# Altium PCB pcb.PcbDoc (part 2 of 3)
Units mil, origin at the board's own origin, x right, y up, seen from the top; angles counter-clockwise.
Board outline 4487.66 x 5255 mil, 2 copper layers (Top Layer, Bottom Layer); 214 components, 192 nets, 883 pads, 298 vias.
Unrouted connection lines stored in the file: 2.
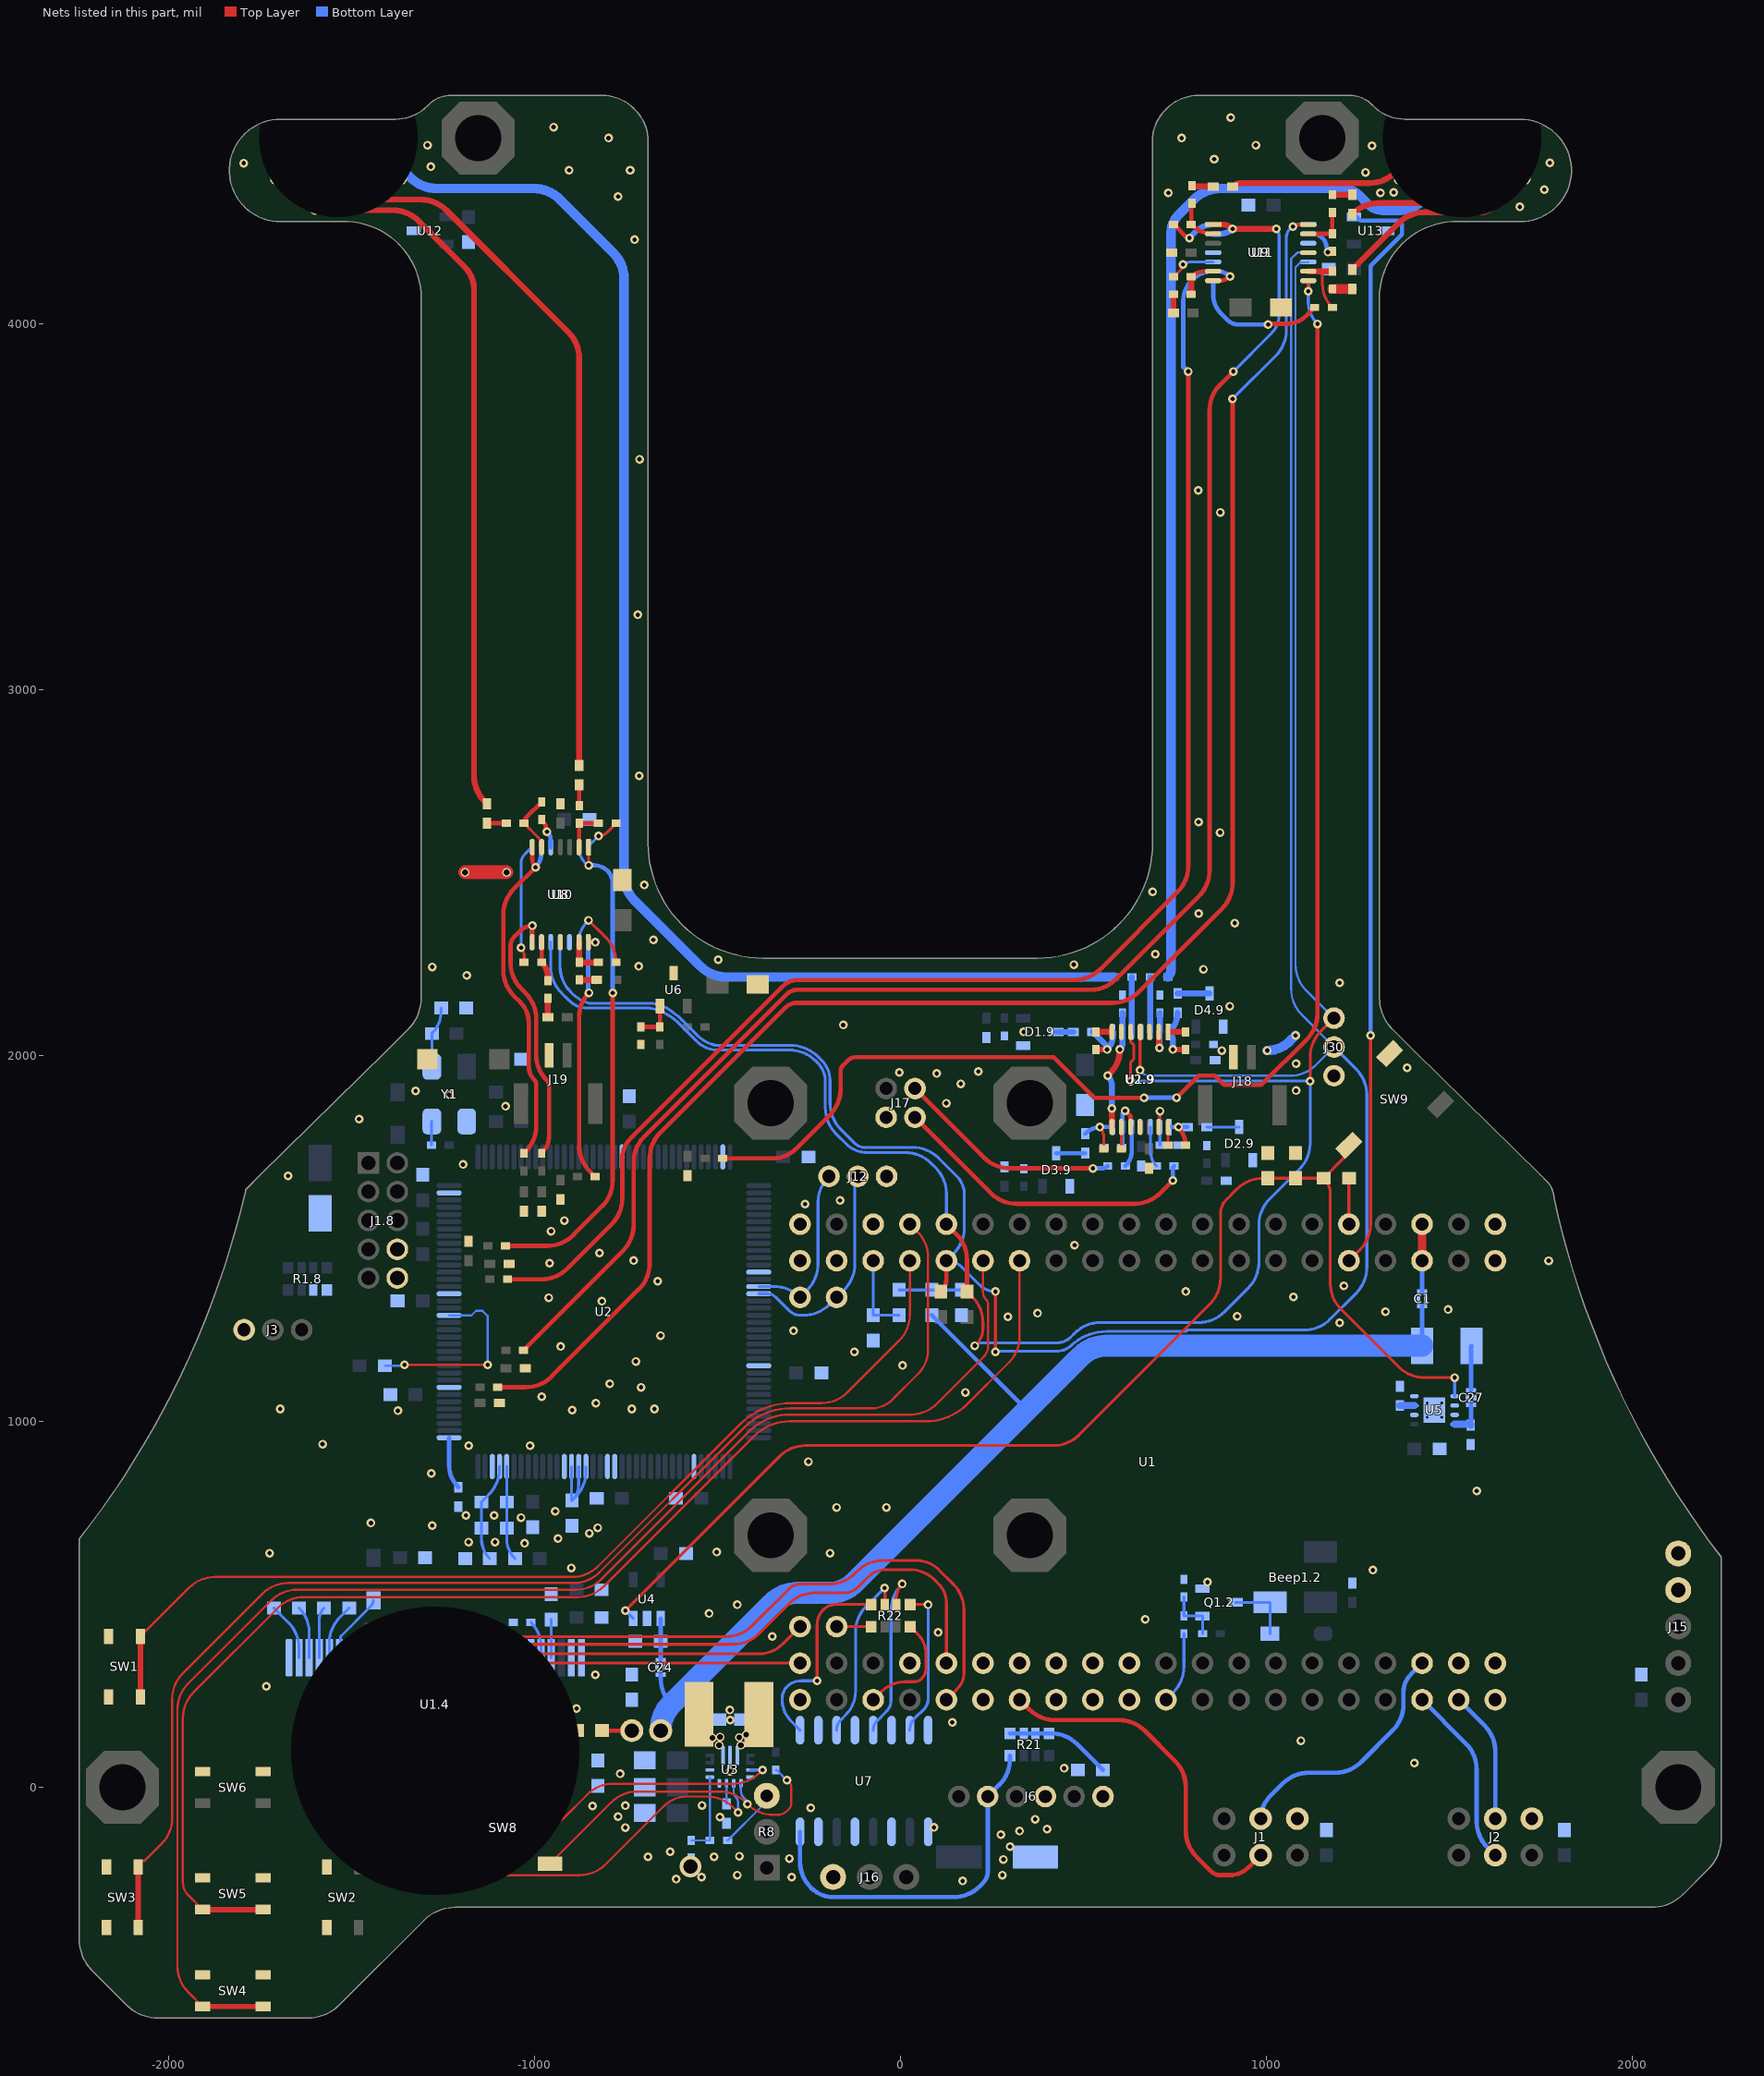
[diagram p2: the nets of this part, all layers, seen from the top]

## Via types
v1: diameter 24, hole 12, Top Layer to Bottom Layer, tented both sides, 283 vias
v2: diameter 23.62, hole 15.75, Top Layer to Bottom Layer, tented both sides, 10 vias
v3: diameter 24, hole 16, Top Layer to Bottom Layer, tented both sides, 2 vias
v4: diameter 23.62, hole 11.81, Top Layer to Bottom Layer, tented both sides, 2 vias
v5: diameter 59.06, hole 39.37, Top Layer to Bottom Layer, tented both sides, 1 vias

## Nets (pads, with @x,y where several pads share a name; then routed paths per layer and width w, separated by ;. In a path a pad name is that pad's centre, name@x,y a point inside that pad or via, vN(x,y) a via of type N, cw(c..) or ccw(c..) an arc to the next point about the centre after c; other vN are vias at no path point) (continued)
AD_B0_14: SW4.1 U1.30 | length 3874.2
  Top Layer w6: SW4.1@-1906.67,-598.91 -1946.42,-559.16 cw(c-1875.71,-488.45) -1975.71,-488.45 -1975.71,212.87 cw(c-1875.71,212.87) -1946.42,283.58 -1719.29,510.71 cw(c-1648.58,440) -1648.58,540 -887.3,540 ccw(c-887.3,640) -816.59,569.29 -413.32,972.56 cw(c-301.34,860.58) -301.34,1018.94 28.92,1018.94 ccw(c28.92,1118.94) 99.63,1048.23 226.94,1175.54 ccw(c195.41,1207.07) 240,1207.07 240,1320.32 ccw(c222.93,1320.32) 235,1332.39 cw(c256.7,1354.09) 226.01,1354.09 U1.30@226.01,1439.39
  Top Layer w15: SW4.1@-1906.67,-598.91 SW4.1@-1741.31,-598.91
AD_B0_15: SW5.1 U1.28 | length 3653.3
  Top Layer w6: SW5.1@-1906.67,-333.91 -1946.42,-294.16 cw(c-1911.92,-259.66) -1960.71,-259.66 -1960.71,189.18 cw(c-1860.71,189.18) -1931.42,259.89 -1700.6,490.71 cw(c-1629.89,420) -1629.89,520 -881.16,520 ccw(c-881.16,620) -810.45,549.29 -399.97,959.77 cw(c-301.74,861.55) -301.74,1000.45 70.32,1000.45 ccw(c70.32,1158.81) 182.3,1046.84 296.72,1161.25 ccw(c226.01,1231.96) 326.01,1231.96 U1.28@326.01,1439.39
  Top Layer w15: SW5.1@-1906.67,-333.91 SW5.1@-1741.31,-333.91
AD_B1_00: J30.2 R47.2 U1.32 U2.9.4 U10.4 U11.4 | length 6804.8
  Top Layer w8: v1(260,1190) v1(260,1355) ; v1(655,1960) U2.9.4@655,2064.84
  Top Layer w12: R47.2@111.02,1355 ccw(c74.84,1391.18) 126.01,1391.18 U1.32@126.01,1439.39
  Bottom Layer w6: v1(655,1960) 656.97,1958.02 cw(c653.95,1955) 658.23,1955 ccw(c682.37,1979.14) 682.37,1945 1064.84,1945 ccw(c1064.84,2045) 1135.55,1974.29 J30.2@1185,2023.74 1097.29,2111.45 cw(c1168,2182.16) 1068,2182.16 1068,4178 1085,4195 U11.4@1114.84,4195
  Bottom Layer w8: U10.4@-930,2310 -930,2244.56 ccw(c-830,2244.56) -900.71,2173.85 -896.15,2169.29 ccw(c-825.44,2240) -850.78,2143.26 ccw(c-848.74,2151) -848.74,2143 -800,2143 -687.33,2143 cw(c-687.33,2043) -621.23,2118.04 ccw(c-615.94,2124.04) -620.4,2117.4 -620.13,2117.22 cw(c-690.04,2010) -599.51,2100.49 -581.68,2082.65 -554.25,2055.22 ccw(c-483.54,2125.93) -506.47,2028.6 ccw(c-497.2,2100) -497.2,2028 -299.04,2028 cw(c-299.04,1932.4) -264.51,2021.55 cw(c-302.15,1915) -229.88,2001.87 cw(c-302.15,1915) -222.21,1994.86 -215.84,1988.5 cw(c-273.28,1930.99) -192,1930.99 -192,1869.21 ccw(c-92,1869.21) -162.71,1798.5 -124.21,1760 ccw(c-98.36,1785.86) -98.36,1749.29 33.58,1749.29 cw(c33.58,1649.29) 104.29,1720 155,1669.29 cw(c106.72,1621) 175,1621 175,1529.81 cw(c75,1529.81) 145.71,1459.1 U1.32@126.01,1439.39 cw(c126.01,1380.02) 168,1422 217.32,1372.68 ccw(c260,1415.36) v1(260,1355) ; v1(260,1190) cw(c264.18,1185.82) 264.18,1191.73 425.51,1191.73 ccw(c425.51,1255.34) 438.48,1193.07 ccw(c425.51,1255.34) 466.91,1207.05 ccw(c461.71,1213.13) 467.21,1207.32 ; 470.48,1210.36 ccw(c563.42,1107) 467.25,1207.35 cw(c461.71,1213.13) 467.21,1207.32 ; J30.2@1185,2023.74 1245.71,1963.03 cw(c1175,1892.32) 1275,1892.32 1275,1421.42 cw(c1175,1421.42) 1245.71,1350.71 1174.29,1279.29 cw(c1103.58,1350) 1103.58,1250 785,1250 783.35,1248.35 cw(c777.69,1254) 777.69,1246 563.42,1246 ccw(c563.42,1107) 467.21,1207.32
AD_B1_01: J30.3 R48.2 U1.31 U2.9.5 U10.5 U11.5 | length 6337.7
  Top Layer w8: R48.2@182.3,1355 196.72,1340.58 cw(c126.01,1269.87) 226.01,1269.87 226.01,1253.42 cw(c168.53,1253.42) 209.17,1212.78 v1(203.47,1207.07) ; v1(629.41,1930) 629.41,1982.3 638.41,1991.29 638.41,2028.19 629.41,2037.19 U2.9.5@629.41,2064.84 ; v1(1120,1930) 1120,1996.06 cw(c1220,1996.06) 1149.29,2066.77 J30.3@1185,2102.48
  Top Layer w12: U1.31@126.01,1539.39 153.01,1512.39 cw(c82.3,1441.68) 182.3,1441.68 R48.2@182.3,1355
  Bottom Layer w6: U11.5@1114.84,4169.41 1113.51,4168.07 1093.07,4168.07 1080,4155 1080,2248.9 ccw(c1180,2248.9) 1109.29,2178.19 J30.3@1185,2102.48
  Bottom Layer w8: U10.5@-955.59,2310 -955.59,2242.43 ccw(c-855.59,2242.43) -926.3,2171.72 -905.27,2150.69 ccw(c-855.32,2200.63) -855.32,2130 -694.02,2130 cw(c-694.02,2030) -636.73,2111.97 ccw(c-632.15,2118.52) -636.07,2111.55 -635.57,2111.28 cw(c-690.04,2010) -608.73,2091.32 -558.7,2041.29 ccw(c-487.99,2112) -538.9,2025.93 ccw(c-497.2,2100) -497.2,2015 -302.15,2015 cw(c-302.15,1915) -231.44,1985.71 -225,1979.27 cw(c-273.28,1930.99) -205,1930.99 -205,1857.13 ccw(c-105,1857.13) -175.71,1786.42 -144.58,1755.29 ccw(c-89.46,1820) -139.55,1751.33 ccw(c-89.46,1820) -89.46,1735 13.58,1735 cw(c13.58,1635) 84.29,1705.71 96.72,1693.28 cw(c26.01,1622.57) 126.01,1622.57 U1.31@126.01,1539.39 ; v1(203.47,1207.07) cw(c222.61,1187.93) 222.61,1215 427.33,1215 ccw(c427.33,1269.98) 466.21,1231.1 476.29,1241.18 cw(c547,1170.47) 547,1270.47 815.31,1270.47 ccw(c815.31,1370.47) 886.03,1299.76 950.71,1364.45 ccw(c880,1435.16) 980,1435.16 980,1537.37 cw(c1080,1537.37) 1009.29,1608.08 1090.71,1689.5 ccw(c1020,1760.21) 1120,1760.21 v1(1120,1930) ccw(c1117.61,1927.61) 1117.61,1930.99 631.8,1930.99 ccw(c631.8,1927.61) v1(629.41,1930)
AD_B1_02: SW1.1 U1.34 | length 2778.5
  Top Layer w6: SW1.1@-2076.7,412.68 -1943.66,545.71 cw(c-1872.95,475) -1872.95,575 -896.62,575 ccw(c-896.62,675) -825.91,604.29 -437.7,992.5 cw(c-298.21,853.01) -298.21,1050.28 -215.28,1050.28 ccw(c-215.28,1150.28) -144.57,1079.57 -3.28,1220.86 ccw(c-73.99,1291.57) 26.01,1291.57 U1.34@26.01,1439.39
  Top Layer w15: SW1.1@-2076.7,247.32 SW1.1@-2076.7,412.68
AD_B1_03: SW3.1 U1.33 | length 3502.9
  Top Layer w6: SW3.1@-2082.68,-217.93 -2082.68,-210.62 -2072.89,-200.83 -2065.59,-200.83 -2018.46,-153.7 ccw(c-2087.16,-85) -1990,-85 -1990,241.25 cw(c-1890,241.25) -1960.71,311.96 -1743.56,529.11 cw(c-1672.85,458.4) -1672.85,558.4 -893.02,558.4 ccw(c-893.02,658.4) -822.31,587.69 -426.08,983.92 cw(c-300.35,858.18) -300.35,1036 -78.97,1036 ccw(c-78.97,1116.66) -21.93,1059.62 47.93,1129.48 ; U1.33@26.01,1539.39 46.72,1518.68 cw(c-23.99,1447.97) 76.01,1447.97 76.01,1197.28 cw(c-19.87,1197.28) 47.96,1129.51
  Top Layer w15: SW3.1@-2082.68,-383.29 SW3.1@-2082.68,-217.93
AD_B1_04: C2.2 R2.1 U1.36 | length 220.4
  Bottom Layer w7.87: U1.36@-73.99,1439.39 C2.2@-73.99,1290.16 -3.3,1290.16 R2.1@-2.98,1290.47
AD_B1_05: U1.35
AD_B1_06: U1.38
AD_B1_08: U1.40
AD_B1_09: U1.39
AD_B1_10: J12.1 U1.42 U2.123 | length 475.1
  Bottom Layer w7.87: U2.123@-386.9,1368.9 -344.91,1368.9 cw(c-344.91,1268.9) -274.2,1339.61 -254.29,1359.52 ccw(c-325,1430.23) -225,1430.23 -225,1598.58 cw(c-125,1598.58) -195.71,1669.29 J12.1@-195,1670
AD_B1_11: J12.2 U1.41 U2.124 | length 599
  Bottom Layer w7.87: U2.124@-386.9,1349.21 -363.7,1349.21 cw(c-363.7,1315.69) -340,1339.39 -303.16,1302.56 ccw(c-273.99,1331.73) -273.99,1290.47 -264.33,1290.47 ccw(c-264.33,1390.47) -193.62,1319.76 U1.41@-173.99,1339.39 -153.5,1359.88 ccw(c-224.21,1430.59) -124.21,1430.59 -124.21,1650.8 cw(c-97.06,1650.8) J12.2@-116.26,1670
AD_B1_12: U1.46
AD_B1_13: U1.4.19 U1.45 | length 1073.6
  Top Layer w7.87: v1(-1175,225) -1089.89,310.11 cw(c-1019.18,239.39) -1019.18,339.39 U1.45@-273.99,339.39
  Bottom Layer w7.87: v1(-1175,225) ccw(c-1176.01,226.01) -1174.58,226.01 U1.4.19@-1174.58,354.35
AD_B1_14: U1.4.18 U1.43 | length 1112.1
  Top Layer w7.87: v1(-1203.81,245) -1113.1,335.71 cw(c-1042.39,265) -1042.39,365 -384.89,365 ccw(c-384.89,453.12) -322.57,390.81 U1.43@-273.99,439.39
  Bottom Layer w7.87: v1(-1203.81,245) ccw(c-1207.76,248.94) -1202.18,248.94 U1.4.18@-1202.18,354.39
AD_B1_15: R22.1 U1.44 | length 94.5
  Top Layer w8: U1.44@-173.99,439.39 R22.1@-79.48,439.39
AGND: C3.9.1 C4.9.1 C7.9.1 C8.9.1 C10.9.2 C11.9.2 C12.1 C16.1 C24.2 C25.1 C26.1 C31.2 C32.2 C33.2 C34.1 C35.1 C38.1 C39.1 C42.1 C43.1 C46.1 C47.1 C50.1 C51.1 D1.9.1 D2.9.1 D3.9.1 D4.9.1 J17.4 J18.2 J19.2 L3.1 pad.1@1535.41,4439.39 pad.1@-1456.69,4439.39 pad.1@-1692.91,4439.39 R3.9.2 R4.9.2 R9.9.2 R10.9.2 R12.1 R13.9.2 R14.9.2 R19.9.2 R20.2 R20.9.2 U1.9.11 U2.34 U4.2 U6.3 U8.11 U9.11 | length 90.5
  Bottom Layer w26: v1(1002.69,2014) ccw(c1002.69,2101.66) 1064.67,2039.67 v1(1080,2055)
  other v1: -899.24,599.89 -1026.77,667.07 -1180.06,670.57 -1107.56,670.57 -935.45,679.78 -850.23,694.49 -826.89,709.61 -1036.43,737.51 -1187.16,743.12 -1110.29,743.12 -942.98,754.57 -1179.39,934.14 -1012.08,934.14 -896.62,1031.16 -733.74,1034.25 -672.2,1034.25 -831.87,1050.28 -980,1067.76 -708.77,1093.31 -794.02,1103.36 -723.03,1164.15 -928.18,1205 -654.97,1235 -815.42,1328.58 -960.46,1338.44 -663.26,1383.31 -958.28,1432.91 -728.93,1439.83 -822.31,1460.38 -954.41,1520.11 -918.45,1549.39 125.56,1870.08 1081.48,1904.29 165.07,1923.07 99.63,1951.12 -2.92,1954.35 213.26,1956.9 1081.48,1977.93 878.71,2014 337.09,2064.84 -155.98,2083.53 900.68,2135.26 828.49,2236.25 -714.77,2244.15 474.02,2248.9 -497.42,2262.03 697.06,2277.18 -675.03,2316.37 913.89,2362.5 815.71,2388.73 689.59,2447.5 -699.64,2466.37 873.98,2610 814.97,2638.38 -713.44,2765 -717.21,3205 874.29,3485 814.28,3545 -712.93,3630 -726.11,4230.04 -1600.48,4310.71 1692.89,4319.99 -771.3,4347.87 732.63,4358.32 1312.19,4358.32 1348.2,4359.72 1760,4367.04 1271.19,4414.29 -905,4420 -738.23,4420 -1283.11,4429.78 -1794.65,4439.39 1775,4440 857.77,4450.3 1289.26,4486.99 -1292.39,4488.56 971.45,4488.56 -797.44,4507.87 768.97,4507.87 -947.68,4537.98 902.96,4563.9
B0_00: J2.3 U1.82 | length 362.1
  Bottom Layer w12: U1.82@1526.01,239.39 1596.72,168.68 cw(c1526.01,97.97) 1626.01,97.97 J2.3@1626.01,-85.61
B0_01: J1.3 U1.79 | length 678.9
  Bottom Layer w12: J1.3@985,-85.61 cw(c1070.96,-85.61) 1010.18,-24.82 1045.71,10.71 cw(c1116.42,-60) 1116.42,40 1188.58,40 ccw(c1188.58,140) 1259.29,69.29 1345.71,155.71 ccw(c1275,226.42) 1375,226.42 1375,260 cw(c1443.53,260) 1395.07,308.46 U1.79@1426.01,339.39
B0_02: J2.4 U1.80 | length 499.2
  Bottom Layer w12: U1.80@1426.01,239.39 1545.71,119.69 cw(c1475,48.98) 1575,48.98 1575,-93.17 ccw(c1675,-93.17) 1604.29,-163.88 J2.4@1626.01,-185.61
B1_00: R2.2.2 U1.66 | length 196.6
  Bottom Layer w8: U1.66@726.01,239.39 745.71,259.1 ccw(c675,329.81) 775,329.81 R2.2.2@775,420
B1_01: U1.63
B1_02: U1.64
B1_03: U1.61
B1_04: U1.62
B1_05: U1.59
B1_06: U1.60
B1_07: U1.57
B1_08: J1.4 U1.58 | length 977
  Top Layer w12: U1.58@326.01,239.39 352.5,212.9 ccw(c423.22,283.61) 423.22,183.61 597.67,183.61 cw(c597.67,83.61) 668.38,154.32 750.71,71.99 cw(c680,1.28) 780,1.28 780,-118.58 ccw(c880,-118.58) 809.29,-189.29 850,-230 ccw(c874.14,-205.86) 874.14,-240 900.08,-240 ccw(c900.08,-166.3) 952.19,-218.41 J1.4@985,-185.61
B1_09: U1.55
B1_10: U1.56
B1_11: U1.4.15 U1.53 | length 1888.5
  Top Layer w7.87: v1(-1285,225) -1148.48,361.52 cw(c-1077.77,290.81) -1077.77,390.81 -456.73,390.81 ccw(c-456.73,490.81) -386.02,420.1 -303.92,502.21 cw(c-233.2,431.5) -233.2,531.5 -154.4,531.5 ccw(c-154.4,586.87) -115.25,547.72 -87.96,575 cw(c-39.68,526.72) -39.68,595 25,595 cw(c25,496.62) 94.57,566.18 105,555.75 cw(c54.28,505.03) 126.01,505.03 U1.53@126.01,339.39
  Bottom Layer w7.87: v1(-1285,225) -1284.81,225.19 U1.4.15@-1284.81,354.39
B1_12: U1.4.14 U1.54 | length 2071.7
  Top Layer w7.87: v1(-1315,243.83) -1176.12,382.71 cw(c-1105.41,312) -1105.41,412 -475.95,412 ccw(c-475.95,512) -405.24,441.29 -303.92,542.61 ; -303.92,542.61 cw(c-272.2,510.9) -272.2,555.75 -194.31,555.75 ccw(c-194.31,655.27) -123.94,584.9 -118.13,590.71 cw(c-47.42,520) -47.42,620 44.64,620 cw(c44.64,534.64) 105,595 144.69,555.31 cw(c73.98,484.6) 173.98,484.6 173.98,313.57 cw(c110.73,313.57) 155.46,268.84 U1.54@126.01,239.39
  Bottom Layer w7.87: v1(-1315,243.83) ccw(c-1321.25,250.09) -1312.41,250.09 U1.4.14@-1312.41,354.39
B1_13: U1.51
B1_15: R22.4 U1.50 | length 311.3
  Top Layer w8: U1.50@-73.99,239.39 -51.67,261.71 cw(c13.24,196.81) 13.24,288.6 38.98,288.6 ccw(c38.98,315.57) 58.06,296.5 ccw(c29.23,325.33) 70,325.33 70,365 ccw(c-5.36,365) 47.93,418.29 R22.4@26.82,439.39
BAT: C1.1 C24.1 F1.1 J4.1 R1.2 | length 3090.7
  Bottom Layer w11.81: C24.1@-655,308.39 -655,297.98 ccw(c-555,297.98) -625.71,227.26 ; R1.2@86.28,1290.47 337.73,1039.02 ccw(c349.25,1050.54) 349.25,1034.25 ; F1.1@1426.01,1207 C1.1@1426.01,1315.63
  Bottom Layer w60: J4.1@-655,155 -655,156.55 cw(c-555,156.55) -625.71,227.26 -350.77,502.21 cw(c-280.06,431.5) -280.06,531.5 -194.93,531.5 ccw(c-194.93,631.5) -124.21,560.79 349.25,1034.25 492.71,1177.71 cw(c563.42,1107) 563.42,1207 F1.1@1426.01,1207
CORE: R49.2 U1.9 | length 125.6
  Top Layer w8: U1.9@1226.01,1539.39 R49.2@1226.01,1665
CR: C61.2 R17.1 R49.1 SW9.2 U4.3 U5.5 | length 3475.8
  Top Layer w7.87: v1@-751.4,487.69 v1(-751.4,483.37) -329.92,904.85 cw(c-259.21,834.14) -259.21,934.14 417.72,934.14 ccw(c417.72,1034.14) 488.43,963.43 845.71,1320.71 ccw(c775,1391.42) 875,1391.42 875,1568.79 cw(c926.21,1568.79) 889.99,1604.99 920.71,1635.71 cw(c991.42,1565) 991.42,1665 R17.1@1080,1665 R49.1@1157.01,1665 cw(c1113.58,1621.57) 1175,1621.57 1175,1377.58 ccw(c1275,1377.58) 1204.29,1306.87 1361.87,1149.29 ccw(c1432.58,1220) 1432.58,1120 v1(1515,1120)
  Top Layer w8: R49.1@1157.01,1665 1211.16,1719.15 ccw(c1175.31,1755) SW9.2@1226.01,1755
  Bottom Layer w7.87: v1(-751.4,483.37) -751.4,483.24 U4.3@-729.8,461.65 ; U5.5@1515,1069.18 v1(1515,1120)
DVDD: C53.2 J6.1 R21.1 R21.2 R21.3 R21.4 | length 291.1
  Bottom Layer w12: R21.1@299.8,147.52 R21.2@337.21,147.52 R21.3@368.7,147.52 R21.4@406.1,147.52 412.32,147.52 cw(c412.32,47.52) 483.03,118.23 C53.2@553.74,47.52
EMC_40: U1.84
EMC_41: U1.81
EN: J6.5 R21.8 U7.16 | length 1022.3
  Bottom Layer w12: U7.16@-274.05,-121.57 -274.05,-203.01 ccw(c-174.05,-203.01) -244.76,-273.73 -243.49,-275 ccw(c-183.13,-214.64) -183.13,-300 146.01,-300 ccw(c146.01,-200) 216.72,-270.71 226.01,-261.42 ccw(c195.18,-230.59) 238.78,-230.59 J6.5@238.78,-25 270.51,6.73 ccw(c199.8,77.45) 299.8,77.45 R21.8@299.8,86.89
FB: R11.2 R13.1 U3.5 | length 224
  Bottom Layer w6: R13.1@-571.52,-145 R11.2@-520.31,-145 U3.5@-520.31,27.83
GND: C1.2 C1.2.1 C1.8.2 C2.1 C3.1 C3.4.1 C4.1 C4.4.1 C5.1 C5.4.1 C6.1 C6.4.1 C7.1 C7.4.1 C8.1 C9.1 C9.9.1 C11.1 C15.1 C17.1 C27.2 C28.1 C29.1 C30.1 C54.1 C55.2 C56.1 C57.1 C58.1 C59.1 C60.1 C61.1 J1.1 J1.8.8 J1.8.10 J2.1 J3.1 J12.3 J15.4 J15.5 J30.1 Q1.2.2 R1.4.1 R1.8.5 R1.8.6 R3.1 R3.2.1 R6.2 R14.1 R16.1 R17.2 SW1.2 SW2.2 SW3.2 SW4.2 SW5.2 SW6.2 SW7.1 SW9.3 U1.1 U1.2 U1.4.1 U1.4.7 U1.4.8 U1.4.10 U1.4.11 U1.4.12 U1.4.13 U1.4.16 U1.4.17 U1.4.21 U1.4.22 U1.4.23 U1.4.24 U1.4.25 U1.4.29 U1.4.30 U1.83 U2.6 U2.9.6 U2.9.11 U2.17 U2.18 U2.24 U2.44 U2.57 U2.71 U2.93 U2.107 U2.121 U2.134 U5.4 U5.9 U7.2 U7.4 U7.6 U7.8 U10.3 U10.6 U11.3 U11.6 U11.11 U12.3 U13.3 Y1.2 | length 112.9
  Top Layer w38: v3(-1189.28,2501.05) v3(-1076.4,2501.05)
  other v1: 1404.76,66.65 1094.99,127.44 -1414.87,147.36 142.13,177.72 -885,215.19 -1626.29,219.65 -1070.89,257.81 -1732.55,275.9 -833.46,307.5 -349.89,412.45 103.2,423.41 669.52,459.08 -522.32,475.21 -445.49,498.95 839.48,560.79 1291.41,593.84 -1723.92,640 -191.9,640 -501.83,643.01 -1279.09,715.39 -1446.81,722.52 -173.99,765 -38.17,765 1575,810 -1281.52,857.92 -250.93,890 -1578.94,938.02 -1373.06,1029.23 -1694.51,1034.25 177.98,1079.57 6.15,1153.2 -125.53,1190 -291.9,1247.78 1200.68,1269.87 294.11,1286 920.71,1287.51 375.31,1295.93 1326.01,1299.76 1496.74,1305.92 1074.3,1340.58 779.97,1355 1212.34,1370.64 1771.93,1439.39 476.29,1481.98 -260.07,1594 -164.96,1604.47 -1673.31,1671.36 -1195.26,1702.25 -1479.3,1826.54 -1078.86,1861.42 -1233.1,1892.9 -1325,1903.36 1385,1966.99 1200.49,2199.02 -1184.94,2219.24 -1279.31,2242.43
H1: J17.3 R2.9.2 | length 861
  Top Layer w12: J17.3@40,1831.26 246.97,1624.29 ccw(c317.68,1695) 317.68,1595 639.65,1595 ccw(c639.65,1695) 710.36,1624.29 v1(745,1658.93)
  Bottom Layer w12: v1(745,1658.93) 745,1690.6 cw(c755.93,1690.6) R2.9.2@748.2,1698.33
H2: J17.2 R11.9.2 | length 614.5
  Top Layer w12: J17.2@40,1910 228.71,1721.29 ccw(c299.42,1792) 299.42,1692 v1(526.01,1692)
  Bottom Layer w12: v1(526.01,1692) 551.53,1692 ccw(c551.53,1713.6) R11.9.2@566.8,1698.33
H3: pad.1@-1377.95,4439.39 R1.9.2 | length 3865.2
  Bottom Layer w26: pad.1@-1377.95,4439.39 -1337.85,4399.29 ccw(c-1267.14,4470) -1267.14,4370 -1001.42,4370 cw(c-1001.42,4270) -930.71,4340.71 -784.29,4194.29 cw(c-855,4123.58) -755,4123.58 -755,2494.27 ccw(c-655,2494.27) -725.71,2423.56 -546.44,2244.29 ccw(c-475.73,2315) -475.73,2215 R1.9.2@584.44,2215
H4: pad.1@1456.67,4439.39 R12.9.2 | length 2913.7
  Bottom Layer w26: R12.9.2@731.2,2215 ccw(c709.95,2236.25) 740,2236.25 740,4249.39 cw(c808.28,4249.39) 760,4297.68 803.03,4340.71 cw(c873.74,4270) 873.74,4370 1207.77,4370 cw(c1207.77,4302.2) 1240.59,4361.53 cw(c1207.77,4302.2) 1251.88,4353.69 1279.01,4326.55 ccw(c1318.13,4365.66) 1318.13,4310.35 1366.82,4310.35 ccw(c1366.82,4388.99) 1422.43,4333.39 1427.38,4338.34 ccw(c1356.67,4409.05) 1456.67,4409.05 pad.1@1456.67,4433.09
HAL2: U1.10 U13.2 | length 3027.5
  Top Layer w8: U1.10@1226.01,1439.39 1255.71,1469.1 ccw(c1185,1539.81) 1285,1539.81 v1(1285,2055)
  Bottom Layer w11.81: U13.2@1239.72,4292.4 1247.6,4292.4 1257.43,4282.57 1359.76,4282.57 1370.78,4271.55 1370.78,4244.58 1285,4158.79 1285,4130.95 v1(1285,2055)
NetBeep1.2_2: Beep1.2.2 D1.2.1 Q1.2.3 | length 179.2
  Bottom Layer w8: Q1.2.3@916.56,505.6 Beep1.2.2@1010.18,505.6 D1.2.1@1010.18,420
NetC1.4_1: C1.4.1 U1.4.2 | length 160.2
  Bottom Layer w8: C1.4.1@-1712.16,490.32 -1672.45,450.61 cw(c-1743.16,379.9) -1643.16,379.9 U1.4.2@-1643.16,354.35
NetC1.4_2: C1.4.2 U1.4.3 | length 143.3
  Bottom Layer w8: C1.4.2@-1643.16,490.32 cw(c-1709.79,423.68) -1615.56,423.68 U1.4.3@-1615.56,354.39
NetC1.9_1: C1.9.1 R6.9.1 U1.9.8 | length 145.7
  Top Layer w16: R6.9.1@535,2016.64 v1(565,2016.64)
  Bottom Layer w16: C1.9.1@526.01,2064.68 558.6,2032.1 cw(c543.15,2016.64) v1(565,2016.64) ccw(c525.27,2056.37) 581.46,2056.37 U1.9.8@581.46,2064.68
NetC1.9_2: C1.9.2 D1.9.3 | length 47
  Bottom Layer w16: D1.9.3@426.01,2064.68 C1.9.2@473.01,2064.68
NetC1_3: C1.3 U1.5 U1.6 | length 184.4
  Top Layer w23.62: U1.6@1426.01,1439.39 U1.5@1426.01,1539.39
  Bottom Layer w11.81: C1.3@1426.01,1355 U1.6@1426.01,1439.39
NetC2.4_1: C2.4.1 U1.4.4 | length 139.4
  Bottom Layer w8: U1.4.4@-1588,354.39 -1588,458.93 cw(c-1543.61,458.93) C2.4.1@-1575,490.32
NetC2.4_2: C2.4.2 U1.4.5 | length 154.2
  Bottom Layer w8: U1.4.5@-1560.44,354.39 -1560.44,394.45 cw(c-1460.44,394.45) -1531.15,465.17 C2.4.2@-1506,490.32
NetC2.9_1: C2.9.1 R8.9.1 U1.9.1 | length 109
  Top Layer w12: v1(760.27,1804.84) 757.65,1804.84 757.5,1804.68 760.73,1801.45 cw(c714.28,1755) R8.9.1@779.97,1755
  Bottom Layer w12: U1.9.1@735,1804.84 v1(760.27,1804.84) C2.9.1@785,1804.84
NetC2.9_2: C2.9.2 D2.9.3 | length 88
  Bottom Layer w8: C2.9.2@838,1804.84 D2.9.3@926.01,1804.84
NetC5.4_2: C5.4.2 U1.4.27 | length 104.6
  Bottom Layer w8: U1.4.27@-954.11,354.35 C5.4.2@-954.11,458.93
NetC5.9_1: C5.9.1 R17.9.1 U1.9.7 | length 143.9
  Top Layer w8: v1(545,1804.68) cw(c519.36,1779.05) 555.62,1779.05 R17.9.1@555.62,1745
  Bottom Layer w12: C5.9.1@505,1786.42 cw(c549.47,1741.96) 549.47,1804.84 U1.9.7@581.46,1804.84
NetC5.9_2: C5.9.2 D3.9.3 | length 79
  Bottom Layer w12: D3.9.3@426.01,1733.42 C5.9.2@505,1733.42
NetC6.9_1: C6.9.1 R18.9.1 U1.9.14 | length 144.3
  Top Layer w16: v1(745,2016.64) R18.9.1@779.97,2016.64
  Bottom Layer w16: v1(745,2016.64) 745,2040.86 ccw(c710.86,2040.86) U1.9.14@735,2065 736.83,2066.83 ccw(c686.65,2117) C6.9.1@757.61,2117
NetC6.9_2: C6.9.2 D4.9.3 | length 87.4
  Bottom Layer w16: C6.9.2@757.61,2170 D4.9.3@845,2170
NetC13_1: C13.1 C14.1 L3.2 U2.33 | length 274.1
  Bottom Layer w8: L3.2@-1122.06,625 cw(c-1067.28,679.78) -1144.75,679.78 C14.1@-1144.75,708.48 C13.1@-1144.75,780 -1124.72,800.03 ccw(c-1195.43,870.74) -1099.09,843.93 cw(c-1091.39,841.79) -1099.01,844.2 ccw(c-1115.12,849.29) -1098.62,845.67 cw(c-1090.81,843.96) -1098.56,845.94 ccw(c-1195.43,870.74) -1095.43,870.74 U2.33@-1095.43,876.9
NetC13_2: C13.2 C14.2 L1.2 U2.32 | length 258
  Bottom Layer w8: U2.32@-1075.75,876.9 C13.2@-1075.75,780 C14.2@-1075.75,708.48 -1075.75,679.78 ccw(c-998.28,679.78) L1.2@-1053.06,625
NetC15_2: C15.2 L2.1 Y1.4 | length 167.2
  Bottom Layer w8: Y1.4@-1280.29,1969.61 L2.1@-1280.29,2060 ccw(c-1341.35,2121.06) -1255,2121.06 C15.2@-1255,2130
NetC16_2: C16.2 U2.37 | length 142.1
  Bottom Layer w12: U2.37@-1233.1,955.51 -1233.1,881.41 ccw(c-1146.56,881.41) C16.2@-1207.76,820.21
NetC23_1: C23.1 U3.3 | length 56.1
  Bottom Layer w6: C23.1@-475.04,-45 U3.3@-475.04,11.1
NetC24_3: C24.3 C26.2 U4.1 | length 113.9
  Bottom Layer w11.81: C24.3@-655,347.76 C26.2@-655,398.88 U4.1@-655,461.65
NetC27_1: C27.1 F1.2 | length 122.3
  Bottom Layer w11.81: C27.1@1560,1085 1560,1204.56 cw(c1563.45,1204.56) F1.2@1561.01,1207
NetC27_3: C27.3 C28.2 U5.8 | length 100.5
  Bottom Layer w11.81: C28.2@1559,990 ccw(c1556.59,992.41) 1560,992.41 C27.3@1560,1045.63
  Bottom Layer w19.68: U5.8@1515,992.41 1553.18,992.41 cw(c1553.18,984.18) C28.2@1559,990
NetC30_2: C30.2 U5.3 | length 39.8
  Bottom Layer w19.68: C30.2@1365,1043.59 U5.3@1404.76,1043.59
NetC36_1: C36.1 pad.1@-1535.43,4439.39 | length 2029.7
  Top Layer w16: pad.1@-1535.43,4439.39 -1535.43,4431.85 ccw(c-1435.43,4431.85) -1506.14,4361.14 -1500,4355 ccw(c-1463.79,4391.21) -1463.79,4340 -1311.42,4340 cw(c-1311.42,4240) -1240.71,4310.71 -906.93,3976.93 cw(c-977.64,3906.22) -877.64,3906.22 C36.1@-877.64,2793
NetC36_2: C36.2 R25.2 | length 56.8
  Top Layer w12: R25.2@-877.64,2683.2 C36.2@-877.64,2740
NetC37_1: C37.1 pad.1@1377.93,4439.39 | length 490.6
  Top Layer w16: C37.1@908,4375.7 cw(c930.45,4353.25) 912.16,4379.2 cw(c930.45,4353.25) 930.45,4385 1282.11,4385 ccw(c1282.11,4485) 1352.82,4414.29 pad.1@1377.93,4439.39
NetC37_2: C37.2 R26.2 | length 58.5
  Top Layer w16: R26.2@797.13,4378.2 ccw(c803.16,4384.24) 803.16,4375.7 C37.2@855,4375.7
NetC40_1: C40.1 pad.1@-1614.17,4439.39 | length 2036.9
  Top Layer w16: pad.1@-1614.17,4439.39 ccw(c-1517.07,4439.39) -1585.73,4370.73 -1555,4340 ccw(c-1484.29,4410.71) -1484.29,4310.71 -1387.13,4310.71 cw(c-1387.13,4210.71) -1316.42,4281.42 -1190,4155 cw(c-1250.36,4094.64) -1165,4094.64 -1165,2765.01 ccw(c-1065,2765.01) -1164.98,2763.09 ccw(c-1065,2765.01) -1135.71,2694.3 C40.1@-1129.41,2688
NetC40_2: C40.2 R31.2 | length 53
  Top Layer w12: C40.2@-1129.41,2635 R31.2@-1076.4,2635
NetC41_2: C41.2 R32.2 | length 50.6
  Top Layer w16: C41.2@746.8,4030 R32.2@746.8,4080.62
NetC44_2: C44.2 R37.2 | length 51.8
  Top Layer w16: C44.2@-963.39,2105 R37.2@-963.39,2156.8
NetC45_1: C45.1 pad.1@1692.89,4439.39 | length 594.8
  Top Layer w16: C45.1@1235,4148.62 1362.09,4275.71 cw(c1432.8,4205) 1432.8,4305 1583.79,4305 ccw(c1583.79,4356.21) 1619.99,4319.99 1663.6,4363.6 ccw(c1592.89,4434.31) 1692.89,4434.31 pad.1@1692.89,4439.39
NetC45_2: C45.2 R38.2 | length 54.5
  Top Layer w26: R38.2@1180.52,4095.62 C45.2@1235,4095.62
NetC48_2: C48.2 R43.2 | length 52.7
  Top Layer w16: R43.2@-877.64,2206.8 C48.2@-829.8,2206.8 ccw(c-825.45,2202.45) C48.2@-831.6,2202.45
NetC49_1: C49.1 pad.1@1614.15,4439.39 | length 466.2
  Top Layer w16: C49.1@1235,4300.2 1235.51,4300.71 cw(c1306.22,4230) 1306.22,4330 1545,4330 ccw(c1545,4394.7) 1590.75,4348.95 1595,4353.2 ccw(c1548.78,4399.42) 1614.15,4399.42 pad.1@1614.15,4439.39
NetC49_2: C49.2 R44.2 | length 54.5
  Top Layer w16: R44.2@1180.52,4353.2 C49.2@1235,4353.2
NetD1.4_2: D1.4.2 U1.4.6 | length 194
  Bottom Layer w8: U1.4.6@-1532.89,354.39 ccw(c-1539.87,361.37) -1530,361.37 -1530,410 cw(c-1525.56,410) -1528.71,413.13 D1.4.2@-1446.82,495.02 ; D1.4.2@-1446.81,495.03 ccw(c-1463.28,511.48) D1.4.2@-1440,511.48
NetD1_A: D1.A R15.2 | length 70
  Top Layer w6: D1.A@-1331.82,-240 R15.2@-1331.82,-170
NetD1_K: D1.K R10.1 U3.2 | length 1087.8
  Top Layer w6: R10.1@-1285,-169.77 cw(c-1318.34,-203.11) -1271.19,-203.11 D1.K@-1271.19,-240 -876.42,-240 ccw(c-876.42,-140) -805.71,-210.71 -647.45,-52.45 cw(c-581.18,-118.72) -581.18,-25 -528.17,-25 cw(c-528.17,-125) -457.46,-54.29 v1(-443.25,-68.5)
  Bottom Layer w6: U3.2@-455.35,11.1 -455.35,-14.38 ccw(c-440.33,-14.38) -450.95,-25 cw(c-470.32,-44.37) -442.93,-44.37 -442.93,-70 ccw(c-444.43,-70) -443.37,-68.94 -445.51,-66.8 cw(c-447.95,-72.28) -443.69,-68.06 v1(-443.25,-68.5)
NetJ4_2: J4.2 R12.2 R14.2 | length 81.3
  Top Layer w12: R14.2@-815,155 J4.2@-733.74,155
NetL4_1: L4.1 U3.11
  other v2: -435.67,115 -440.35,136.42 -421.14,144.05
NetL4_2: L4.2 U3.9
  other v2: -495,115 -513.43,135 -492.52,137.45
NetQ1.2_1: Q1.2.1 R1.2.1 R2.2.1 R3.2.2 | length 151
  Bottom Layer w8: R3.2.2@775,520 R2.2.1@775,468.2 Q1.2.1@826.01,468.2 R1.2.1@826.01,420
NetR1.4_2: R1.4.2 U1.4.26 | length 103.6
  Bottom Layer w8: R1.4.2@-1009.26,450.61 cw(c-1075.77,384.09) -981.71,384.09 U1.4.26@-981.71,354.39
NetR1.9_1: R1.9.1 U1.9.10 | length 150.3
  Bottom Layer w16: U1.9.10@632.64,2064.68 R1.9.1@632.64,2215
NetR1_1: R1.1 R2.2 R3.2 | length 170
  Bottom Layer w8: R2.2@-2.98,1359.47 R1.1@86.28,1359.47 R3.2@167,1359.47
NetR2.9_1: R2.9.1 U1.9.3 | length 110.8
  Bottom Layer w8: U1.9.3@683.82,1804.84 683.82,1737.39 ccw(c739.06,1737.39) R2.9.1@700,1698.33
NetR4_2: R4.2 U2.54 | length 531.7
  Top Layer w6: v1(-1355,1155) v1(-1127.62,1155)
  Bottom Layer w6: R4.2@-1408.77,1152.36 -1361.37,1152.36 ccw(c-1361.37,1161.37) v1(-1355,1155) ; U2.54@-1233.1,1290.16 -1171.91,1290.16 -1159.51,1302.56 -1141.86,1302.56 -1127.62,1288.31 v1(-1127.62,1155)
NetR5_2: R5.2 Y1.3 | length 65.3
  Bottom Layer w8: R5.2@-1281.3,1755 -1281.3,1817.56 cw(c-1277.85,1817.56) Y1.3@-1280.29,1820
NetR6_1: R6.1 U2.21 U2.22 U2.23 | length 296.3
  Bottom Layer w7.87: U2.23@-898.58,876.9 -898.58,786.82 ccw(c-894.21,786.82) R6.1@-897.3,783.72 ; U2.22@-878.9,876.9 -878.9,828.15 cw(c-941.73,828.15) R6.1@-897.3,783.72 ; U2.21@-859.21,876.9 -859.21,863.23 cw(c-959.21,863.23) -888.5,792.52 R6.1@-897.3,783.72
NetR8_3: R8.3 R11.1 | length 164.7
  Bottom Layer w6: R11.1@-472.11,-145 -375.42,-48.3 ccw(c-400.57,-23.15) R8.3@-365,-23.15
NetR9_2: R9.2 SW8.1 U3.1 | length 953.3
  Top Layer w6: SW8.1@-957.22,-208.43 -789.66,-40.87 cw(c-718.95,-111.58) -718.95,-11.58 -493.62,-11.58 cw(c-493.62,-111.58) -422.91,-40.87 v1(-417.63,-46.15) ccw(c-347.97,23.51) -347.97,-75 -335,-75 ccw(c-335,-38.79) -309.39,-64.39 -305,-60 ccw(c-322.55,-42.45) -297.73,-42.45 -297.73,-4.62 ccw(c-339.62,-4.62) -310,25 v1(-310,19.41)
  Bottom Layer w6: U3.1@-435.67,11.1 -435.67,-8.92 ccw(c-407.96,-8.92) -427.55,-28.51 -417.78,-38.28 cw(c-422.24,-42.31) v1(-417.63,-46.15) ; R9.2@-340,47.52 cw(c-340,42.95) -336.78,46.19 v1(-310,19.41)
NetR11.9_1: R11.9.1 U1.9.5 | length 111.2
  Bottom Layer w12: R11.9.1@615,1698.33 ccw(c572.42,1740.91) 632.64,1740.91 U1.9.5@632.64,1804.84
NetR12.9_1: R12.9.1 U1.9.12 | length 150
  Bottom Layer w16: U1.9.12@683,2065 R12.9.1@683,2215
NetR19_1: R19.1 R20.1 U6.1 | length 108.8
  Top Layer w12: R20.1@-708.92,2078.52 R19.1@-656.93,2078.52 U6.1@-656.93,2135.32
NetR22_5: R22.5 U7.7 | length 409.4
  Top Layer w8: R22.5@26.82,500.02 73.4,500.02 cw(c73.4,496.34) v1(76.01,498.95)
  Bottom Layer w8: U7.7@25.95,156.21 cw(c71.73,156.21) 39.36,188.59 65,214.23 ccw(c38.42,240.81) 76.01,240.81 v1(76.01,498.95)
NetR22_6: R22.6 U7.5 | length 484.7
  Top Layer w8: R22.6@-10.58,500.02 -10.58,517 cw(c44.23,517) v1(5.47,555.75)
  Bottom Layer w8: U7.5@-74.05,156.21 cw(c-38.13,156.21) -63.53,181.62 -38.84,206.31 ; -38.82,206.33 ccw(c-71.05,238.53) -25.49,238.53 -25.49,483.37 cw(c74.51,483.37) 3.8,554.08 v1(5.47,555.75)
NetR22_7: R22.7 U7.3 | length 478.2
  Top Layer w8: v1(-43.07,545) cw(c-45.45,542.61) -42.08,542.61 R22.7@-42.08,500.02
  Bottom Layer w8: U7.3@-174.05,156.21 cw(c-133.64,156.21) -162.22,184.79 -149.88,197.12 ccw(c-216.31,263.56) -122.36,263.56 -122.36,424.28 cw(c-22.36,424.28) -93.07,494.99 v1(-43.07,545)
NetR22_8: R22.8 U7.1 | length 559.3
  Top Layer w8: v1(-227.63,291.13) -227.63,444.26 cw(c-170.02,444.26) -210.76,485 cw(c-174.48,448.73) -174.48,500.02 R22.8@-79.48,500.02
  Bottom Layer w8: U7.1@-274.05,156.21 -298.64,180.8 cw(c-240.05,239.39) -322.91,239.39 -322.91,243.83 cw(c-278.83,243.83) -310,275 cw(c-271.06,236.06) -271.06,291.13 v1(-227.63,291.13)
NetR25_1: R25.1 R27.1 U8.2 | length 117.8
  Top Layer w12: U8.2@-877.64,2569.84 R25.1@-877.64,2635 R27.1@-825,2635
NetR26_1: R26.1 R28.1 U9.2 | length 125.8
  Top Layer w12: R28.1@795,4271.77 795,4324.86 cw(c802.26,4324.86) R26.1@797.13,4330 ; R28.1@799.13,4267.78 ccw(c855,4329.25) U9.2@855,4246.18
  Top Layer w16: R28.1@795,4271.77 796.26,4270.51 ccw(c855,4329.25) R28.1@799.13,4267.78
NetR31_1: R31.1 R33.1 U8.6 | length 160.5
  Top Layer w8: R31.1@-1028.2,2635 -991.99,2598.79 cw(c-1020.94,2569.84) U8.6@-980,2569.84
  Top Layer w12: R31.1@-1028.2,2635 cw(c-1004.06,2635) -1021.13,2652.07 R33.1@-980,2693.2
NetR32_1: R32.1 R34.1 U9.6 | length 112.2
  Top Layer w12: R34.1@795,4128.82 cw(c831.21,4092.61) 831.21,4143.82 U9.6@855,4143.82
  Top Layer w16: R32.1@795,4080.62 R34.1@795,4128.82
NetR37_1: R37.1 R39.1 U8.9 | length 109.4
  Top Layer w12: R39.1@-980,2255 U8.9@-980,2310
  Top Layer w16: R39.1@-980,2255 cw(c-1020.1,2214.9) -963.39,2214.9 R37.1@-963.39,2205
NetR38_1: R38.1 R40.1 U9.9 | length 173.3
  Top Layer w8: 1147.68,4143.82 cw(c1133.56,4129.7) 1153.53,4129.7 1153.53,4110.16 ccw(c1245.68,4110.16) R40.1@1180.52,4045
  Top Layer w16: U9.9@1114.84,4143.82 1147.68,4143.82 R38.1@1180.52,4143.82
NetR43_1: R43.1 R45.1 U8.13 | length 107.6
  Top Layer w16: U8.13@-877.64,2310 R43.1@-877.64,2255 R45.1@-825,2255
NetR44_1: R44.1 R46.1 U9.13 | length 124.5
  Top Layer w12: U9.13@1114.84,4246.18 R46.1@1180.52,4246.18 R44.1@1180.52,4305
NetSW8_2: SW8.2 U3.14 | length 925.8
  Top Layer w6: SW8.2@-1213.1,-110.06 -982.48,-110.06 ccw(c-982.48,-21.69) -920,-84.18 -855.11,-19.29 cw(c-784.4,-90) -784.4,10 -455.6,10 ccw(c-455.6,110) -384.89,39.29 v1(-376.66,47.52)
  Bottom Layer w8: U3.14@-410.08,47.52 v1(-376.66,47.52) -375.58,48.59 ccw(c-376.99,50) v1@-375,50
NetU2.9_3: U2.9.3
NetU5_2: U5.2 U5.6 U5.7
P0B: R13.9.1 U1.9.6 U2.9.10 | length 154
  Top Layer w12: v1(614.39,1849.17) 629.41,1834.15 U2.9.10@629.41,1805
  Bottom Layer w12: R13.9.1@605,1749.29 ccw(c600.06,1754.23) 607.05,1754.23 U1.9.6@607.05,1804.84 607.05,1842.14 614.08,1849.17 v1(614.39,1849.17)
P0B0: R33.2 U10.10 | length 82
  Top Layer w12: R33.2@-980,2645 cw(c-1011.88,2613.12) -966.8,2613.12 v1(-965.69,2612.02)
  Bottom Layer w12: v1(-965.69,2612.02) ccw(c-955.3,2618.02) -963.78,2609.53 -963.58,2609.33 cw(c-982.87,2590.04) -955.59,2590.04 U10.10@-955.59,2569.84
P0B1: R34.2 U11.10 | length 131.1
  Top Layer w8: R34.2@746.8,4128.82 766.91,4148.93 ccw(c753.07,4162.77) v1(772.64,4162.77)
  Bottom Layer w8: v1(772.64,4162.77) cw(c765.03,4160.3) 773.03,4160.3 773.03,4160 cw(c795.75,4137.28) 795.75,4169.41 U11.10@855,4169.41
P0W: R17.9.2 U2.9.9 | length 60
  Top Layer w8: R17.9.2@603.82,1745 U2.9.9@603.82,1805
P0W0: R29.2 U8.7 U10.9 | length 966.2
  Top Layer w12: R29.2@-1028.2,1733.2 -1024.29,1737.11 ccw(c-1095,1807.82) -995,1807.82 -995,1920.86 ccw(c-1014.66,1920.86) -1000.75,1934.75 cw(c-965.5,1970) -1015.35,1970 -1015.35,2089.42 ccw(c-1095.15,2089.42) -1038.72,2145.85 -1055.71,2162.83 cw(c-985,2233.55) -1085,2233.55 -1085,2385.59 cw(c-985,2385.59) -1055.71,2456.3 v1(-997.01,2515) cw(c-976.29,2535.72) -1005.59,2535.72 U8.7@-1005.59,2569.84
  Bottom Layer w12: v1(-997.01,2515) ccw(c-1035.22,2553.21) -981.18,2553.21 U10.9@-981.18,2569.84
P0W1: R30.2 U9.7 U11.9 | length 4213.6
  Top Layer w12: R30.2@-1073.48,1388.58 -980.81,1388.58 ccw(c-980.81,1488.58) -910.1,1417.87 -789.29,1538.68 ccw(c-860,1609.39) -760,1609.39 -760,1719.14 cw(c-683.7,1719.14) -737.65,1773.1 -320.38,2190.37 ; -320.34,2190.41 cw(c-280.72,2150.72) -280.72,2206.8 475.38,2206.8 ccw(c475.38,2306.8) 546.09,2236.09 757.5,2447.5 ccw(c686.79,2518.21) 786.79,2518.21 v1(786.79,3870) ; U9.7@855,4118.23 873.01,4118.23 ccw(c873.01,4157.4) v1(900.71,4129.7)
  Bottom Layer w12: v1(786.79,3870) 778.05,3878.74 ccw(c775,3875.69) 775,3880 cw(c779.75,3884.75) 773.03,3884.75 773.03,4063.38 cw(c850.6,4063.38) 795.75,4118.23 797.54,4120.02 cw(c855,4062.56) U11.9@855,4143.82 866.63,4143.82 cw(c866.63,4095.62) v1(900.71,4129.7)
P1B: R6.9.2 U2.9.7 | length 43.2
  Top Layer w16: R6.9.2@535,2064.84 U2.9.7@578.23,2064.84
P1B0: R35.2 U8.8 U10.7 | length 779.9
  Top Layer w12: U8.8@-1005.59,2310 v1(-1005.59,2355) ccw(c-1005.59,2308.14) -1038.72,2341.28 -1055,2325 ccw(c-1030.86,2300.86) -1065,2300.86 -1065,2253.36 ccw(c-965,2253.36) -1035.71,2182.65 -1024.29,2171.23 cw(c-1095,2100.52) -995,2100.52 -995,2000.94 ccw(c-900.04,2000.94) -967.19,1933.8 cw(c-985.48,1915.51) -959.61,1915.51 -959.61,1782.43 cw(c-1029.23,1782.43) R35.2@-980,1733.2
  Bottom Layer w12: U10.7@-1006.77,2310 -1006.77,2352.15 cw(c-1002.74,2352.15) v1(-1005.59,2355)
P1B1: R36.2 U9.8 U11.7 | length 4009.3
  Top Layer w8: v1(1114.84,4089.48) U9.8@1114.84,4118.23
  Top Layer w12: R36.2@-485.72,1719.14 -348,1719.14 ccw(c-348,1807.42) -285.58,1745 -192.5,1838.08 ccw(c-263.21,1908.79) -163.21,1908.79 -163.21,1956.9 cw(c-138.51,1956.9) -155.98,1974.36 -144.57,1985.77 cw(c-119.73,1960.93) -119.73,1996.06 418.94,1996.06 530.55,1884.45 v1@661.99,1884.45 ; v1(754.97,1885) 814.97,1945 860,1945 885,1920 986.42,1920 1110.71,2044.29 ccw(c1040,2115) 1140,2115 v1(1140,4000)
  Bottom Layer w8: U11.7@1114.84,4118.23 v1(1114.84,4089.48) 1114.84,4060.73 ccw(c1200.73,4060.73) v1(1140,4000)
  Bottom Layer w12: v1@661.99,1884.45 670.28,1884.45 670.83,1885 v1(754.97,1885)
  other v1: 666.13,1884.45
P1W: R3.9.1 U1.9.9 U2.9.8 | length 326.7
  Top Layer w16: v1(566.8,1945) 572.92,1951.12 ccw(c507.39,2016.64) 578.23,1956.9 ccw(c507.39,2016.64) v1(600.06,2016.64) ; U2.9.8@578.23,1805 v1(578.23,1855.54)
  Bottom Layer w16: v1(566.8,1945) cw(c539.21,1917.41) 578.23,1917.41 v1(578.23,1855.54) ; v1(600.06,2016.64) ccw(c583.19,2033.51) 607.05,2033.51 U1.9.9@607.05,2064.68 R3.9.1@607.05,2117
P1W0: R39.2 U10.8 | length 327.7
  Top Layer w8: v1(-1036.38,2295) cw(c-1056.12,2275.26) -1028.2,2275.26 R39.2@-1028.2,2255
  Bottom Layer w8: v1(-1036.38,2295) -1036.38,2525 cw(c-999.59,2525) -1025.6,2551.01 U10.8@-1006.77,2569.84
P1W1: R40.2 U11.8 | length 377.6
  Top Layer w12: v1(1005.48,3998.47) 1007.92,3998.47 ccw(c1007.92,4010.47) 1013.4,3999.79 v1@1013.77,3999.98 ; v1@1013.79,4000 1054.43,4000 ccw(c1054.43,4079.4) 1110.58,4023.26 R40.2@1132.32,4045
  Bottom Layer w12: U11.8@855,4118.23 855,4080 ccw(c927.43,4080) 876.21,4028.79 895,4010 ccw(c922.84,4037.84) 922.84,3998.47 v1(1005.48,3998.47)
P2B: R4.9.1 U1.9.2 U2.9.13 | length 138.6
  Top Layer w8: U2.9.13@706.18,1805 706.18,1822.35 709.95,1826.13 v1(709.95,1848.55)
  Bottom Layer w8: R4.9.1@709.41,1755.29 U1.9.2@709.41,1804.84 709.41,1848 v1(709.95,1848.55)
P2B0: R23.2 U8.1 U10.13 | length 1392.9
  Top Layer w8: U8.1@-852.05,2569.84 -851.75,2569.54 v1(-851.75,2520.2)
  Top Layer w12: R23.2@-1079.42,1480 -964.51,1480 ccw(c-964.51,1580) -893.8,1509.29 -815.42,1587.67 ccw(c-886.13,1658.38) -786.13,1658.38 v1(-786.13,2171.23)
  Bottom Layer w8: U10.13@-878.82,2569.84 ccw(c-817.89,2569.84) -860.97,2526.76 -859.21,2525 cw(c-859.21,2520) v1@-855.68,2523.54
  Bottom Layer w12: v1(-851.75,2520.2) -836.86,2520.2 cw(c-836.86,2468.3) -800.16,2505 cw(c-834.03,2471.13) -786.13,2471.13 v1(-786.13,2171.23)
P2B1: R24.2 U9.1 U11.13 | length 4631.1
  Top Layer w12: R24.2@-1029.57,1195 -758.22,1466.35 ccw(c-828.93,1537.06) -728.93,1537.06 -728.93,1708.06 cw(c-628.93,1708.06) -699.64,1778.77 -310.92,2167.49 ; -310.91,2167.5 cw(c-280.72,2137.3) -280.72,2180 522.1,2180 ccw(c522.1,2271.5) 586.77,2206.77 ; 586.8,2206.8 815.71,2435.71 ccw(c745,2506.42) 845,2506.42 845,3763.58 cw(c945,3763.58) 874.29,3834.29 v1(910,3870)
  Top Layer w16: U9.1@855,4271.77 879.58,4271.77 cw(c879.58,4231.58) v1(908,4260) v1(1027.32,4260)
  Bottom Layer w8: v1(910,3870) 1013.79,3973.79 ccw(c962.57,4025) 1035,4025 1035,4241.46 ccw(c1008.79,4241.46) v1(1027.32,4260)
  Bottom Layer w16: U11.13@855,4246.18 874.64,4246.18 ccw(c874.64,4293.36) v1(908,4260)
P2W: R8.9.2 U2.9.14 | length 49.7
  Top Layer w8: R8.9.2@731.77,1755 U2.9.14@731.77,1804.68
P2W0: R27.2 U10.14 | length 102.7
  Top Layer w8: v1(-824.94,2600.02) ccw(c-824.94,2631.79) -802.47,2609.33 R27.2@-776.8,2635
  Bottom Layer w8: U10.14@-853.23,2570.16 cw(c-849.43,2570.16) U10.14@-852.12,2572.84 ; U10.14@-852.12,2572.84 v1(-824.94,2600.02)
P2W1: R28.2 U11.14 | length 133.6
  Top Layer w12: R28.2@746.8,4271.77 v1@786.79,4231.79
  Bottom Layer w16: v1(790,4235) 807.03,4252.03 cw(c854.68,4204.38) U11.14@854.68,4271.77
P3B: R14.9.1 U1.9.13 U2.9.2 | length 141.4
  Top Layer w16: U2.9.2@706.18,2064.84 706.18,2022.82 v1(708.1,2020.9)
  Bottom Layer w16: v1(708.1,2020.9) 708.1,2063.38 U1.9.13@709.41,2064.68 R14.9.1@709.41,2117
P3B0: R45.2 U10.2 | length 209.7
  Top Layer w8: v1(-852.05,2370) -804.91,2322.86 cw(c-872.77,2255) R45.2@-776.8,2255
  Bottom Layer w8: U10.2@-878.82,2310 cw(c-798.6,2310) -855.32,2366.72 v1(-852.05,2370)
P3B1: R46.2 U11.2 | length 95.8
  Top Layer w12: v1@1165,4200 1175.65,4200 cw(c1175.65,4193.11) R46.2@1180.52,4197.98
  Bottom Layer w12: U11.2@1114.84,4246.18 1126.54,4246.18 cw(c1126.54,4208.01) 1153.53,4235 cw(c1125.84,4207.31) 1165,4207.31 v1@1165,4200
  other v1: 1168.52,4196.12
P3W: R18.9.2 U2.9.1 | length 48.2
  Top Layer w16: U2.9.1@731.77,2064.84 R18.9.2@779.97,2064.84
P3W0: R41.2 U8.14 U10.1 | length 702
  Top Layer w12: U8.14@-852.05,2309.68 v1(-833.62,2309.68) ; v1(-850.78,2171.72) ccw(c-785.93,2106.87) -877.64,2106.87 -877.64,1754.01 ccw(c-777.64,1754.01) -848.35,1683.3 R41.2@-834.34,1669.29
  Bottom Layer w12: v1@-852.12,2171.23 cw(c-849.43,2173.91) -853.23,2173.91 U10.1@-853.23,2310 -833.94,2310 v1(-833.62,2309.68) ; v1@-852.12,2171.23 cw(c-850.92,2170.03) -850.92,2171.72 v1(-850.78,2171.72)
P3W1: R42.2 U9.14 U11.1 | length 4740.3
  Top Layer w8: v1(1073.19,4266.31) cw(c1086.38,4253.12) 1086.38,4271.77 U9.14@1115.16,4271.77
  Top Layer w12: R42.2@-1100.28,1093.44 -1023.73,1093.44 ccw(c-1023.73,1193.44) -953.01,1122.73 -714.29,1361.45 ccw(c-785,1432.16) -685,1432.16 -685,1719.23 cw(c-585,1719.23) -655.71,1789.94 -315.96,2129.69 cw(c-280.72,2094.45) -280.72,2144.29 580.36,2144.29 ccw(c580.36,2244.29) 651.07,2173.58 878.71,2401.22 ccw(c808,2471.93) 908,2471.93 v1(908,3795)
  Bottom Layer w8: v1(908,3795) 1025.71,3912.71 ccw(c955,3983.42) 1055,3983.42 1055,4235.86 cw(c1089.14,4235.86) 1065,4260 cw(c1093.42,4231.58) 1093.42,4271.77 U11.1@1114.84,4271.77
PGND: C18.2 C19.1 C20.1 C21.1 C22.1 C23.2 C52.2 C53.1 J6.3 J16.3 R13.2 R16.2 SW8.3 U3.4 U3.6 U3.10 U3.15 U7.9 U7.11 U7.13 U7.15
  other v1: 170,-255.94 -612.84,-250.81 -542.85,-245.13 -297.09,-245.13 -445.49,-240 279.06,-240 281.7,-197.11 -303.01,-194.35 -689.38,-190 -509.15,-190 -440.18,-188.01 -629.09,-176.3 299.8,-161.93 274.6,-129.51 326.01,-119.61 400.95,-114.31 -751.4,-110 92.05,-109.55 368.7,-87.11 -493.25,-81.22 -771.16,-79.8 -244.76,-56.02 -841.26,-51.11 -751.52,-50.35 -541.87,-49.25 -765.88,36.82 447.65,52.18 -465.51,211.2
  other v4: -465.51,44.13 -465.2,183.61
  other v5: -573.8,-216.6